# Altium PCB CatsPi-Dev-Board-using-CM4.PcbDoc (part 2 of 2) (continued)
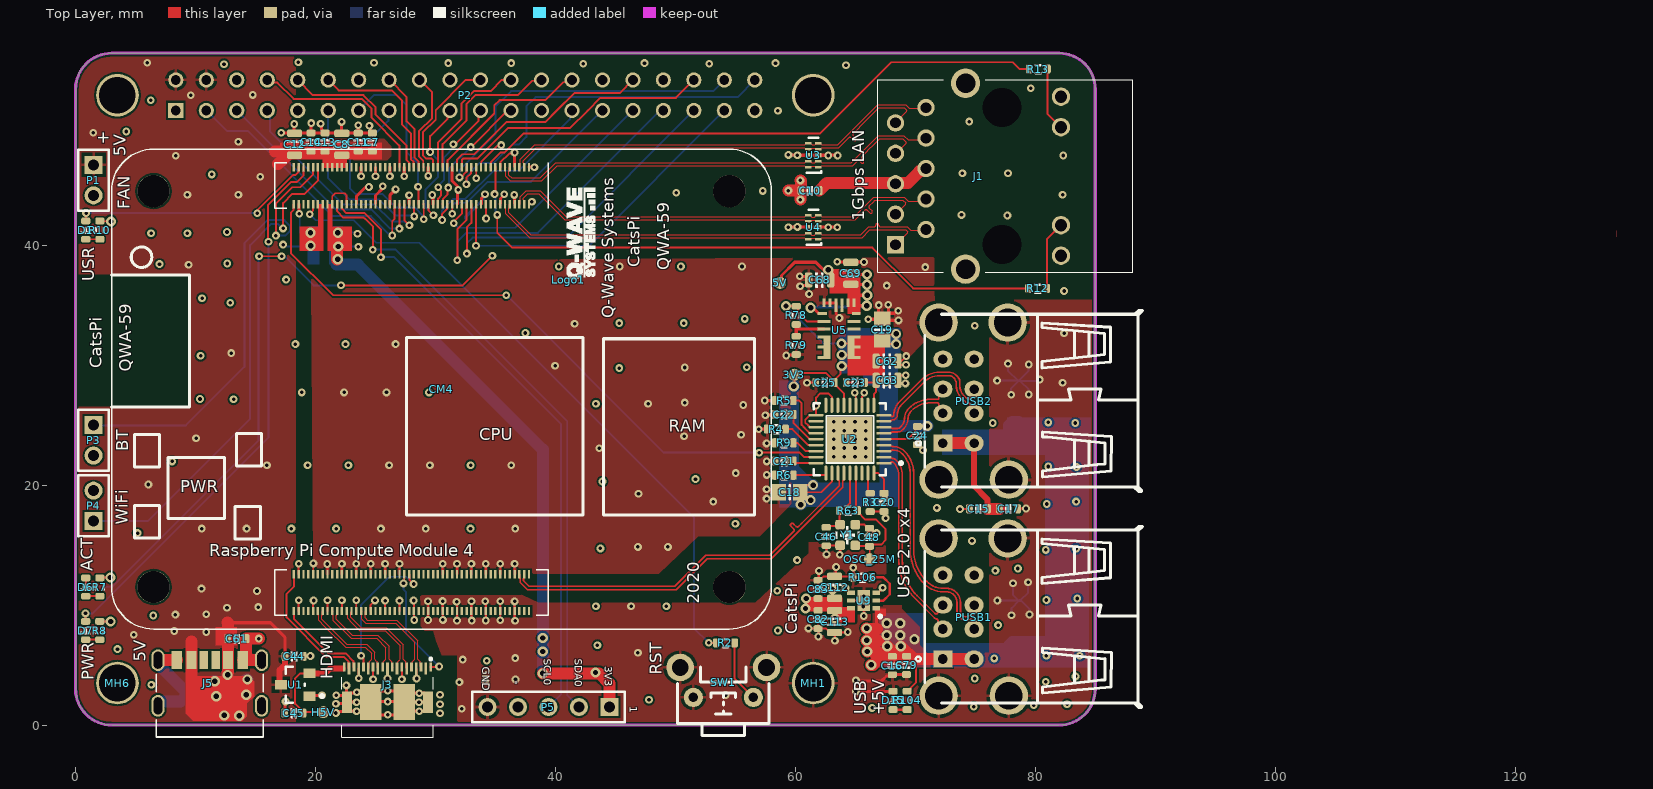
[diagram p0: Top Layer view]
## Nets (pads, with @x,y where several pads share a name; then routed paths per layer and width w, separated by ;. In a path a pad name is that pad's centre, name@x,y a point inside that pad or via, vN(x,y) a via of type N, cw(c..) or ccw(c..) an arc to the next point about the centre after c; other vN are vias at no path point) (continued)
  Bottom Layer w0.16: v1(27.335,11.804) 27.335,11.302 27.557,11.08 27.557,7.618 v1(30.3,4.875)
HDMI0_SCL: CM4.200 J3.17 | length 7.6
  Top Layer w0.16: CM4.200@18.2,9.5 18.2,8.85 18.725,8.325 21.075,5.975 22.525,5.975 23.165,5.335 23.165,4.86 J3.17@23.2,4.825
HDMI0_SDA: CM4.199 J3.18 | length 11.2
  Top Layer w0.16: CM4.199@18.2,12.58 18.2,11.525 17.6,10.925 17.6,8.975 20.912,5.663 22.396,5.663 22.765,5.293 22.765,4.735 J3.18@22.8,4.7
HDMI0_TX0_N: CM4.184 J3.11 | length 7.9
  Top Layer w0.104: CM4.184@21.4,9.5 21.448,9.452 21.448,9.165 21.472,9.141 21.472,8.707 22.961,7.219 25.094,7.219 25.872,6.441 25.872,5.476 25.663,5.267 25.663,4.888 J3.11@25.6,4.825
HDMI0_TX0_P: CM4.182 J3.9 | length 7.9
  Top Layer w0.104: CM4.182@21.8,9.5 21.752,9.452 21.752,9.165 21.728,9.141 21.728,8.814 23.067,7.475 25.2,7.475 26.128,6.547 26.128,5.476 26.337,5.267 26.337,4.926 J3.9@26.431,4.831
HDMI0_TX1_N: CM4.178 J3.8 | length 8
  Top Layer w0.104: CM4.178@22.6,9.5 22.648,9.452 22.648,9.165 22.672,9.141 22.672,8.888 23.027,8.533 23.03,8.533 23.705,7.857 25.803,7.857 27.072,6.589 27.072,5.465 27.011,5.404 27,5.404 26.863,5.267 26.863,4.763 J3.8@26.8,4.7
HDMI0_TX1_P: CM4.176 J3.6 | length 8
  Top Layer w0.104: CM4.176@23,9.5 22.952,9.452 22.952,9.165 22.928,9.141 22.928,8.994 23.133,8.789 23.136,8.789 23.811,8.114 25.909,8.114 27.328,6.695 27.328,5.465 27.389,5.404 27.4,5.404 27.537,5.267 27.537,4.763 J3.6@27.6,4.7
HDMI0_TX2_N: CM4.172 J3.5 | length 8.1
  Top Layer w0.104: CM4.172@23.8,9.5 23.848,9.452 23.848,9.165 23.872,9.141 23.872,8.825 24.203,8.494 26.681,8.494 28.27,6.905 28.272,6.903 28.272,5.465 28.211,5.404 28.2,5.404 28.063,5.267 28.063,4.888 J3.5@28,4.825
HDMI0_TX2_P: CM4.170 J3.3 | length 8.1
  Top Layer w0.104: CM4.170@24.2,9.5 24.152,9.452 24.152,9.165 24.128,9.141 24.128,8.931 24.309,8.75 26.788,8.75 28.528,7.009 28.528,5.465 28.589,5.404 28.6,5.404 28.737,5.267 28.737,4.888 J3.3@28.8,4.825
LED_Active: CM4.21 D6.2 | length 75.5
  Top Layer w0.16: D6.2@0.85,12.262 0.825,12.237 0.875,12.187 v1(0.875,11.525) ; v1(15.3,39.075) 17.175,39.075 v1(17.179,39.071) ; v1(22.125,36.65) 32.275,36.65 v1(34.75,39.125) ; CM4.21@33.8,46.5 33.82,46.52 33.82,46.945 35.25,48.375 35.45,48.375 v1(35.488,48.337)
  Power w0.16: v1(34.75,39.125) 37.35,39.125 39.525,41.3 39.525,46.52 37.67,48.375 35.525,48.375 v1(35.488,48.337)
  Bottom Layer w0.16: v1(0.875,11.525) 3.055,11.525 15.25,23.72 15.25,39.025 v1(15.3,39.075) ; v1(17.179,39.071) 17.429,39.071 19.85,36.65 v1(22.125,36.65)
LED_PWR: CM4.95 D7.2 | length 46.1
  Top Layer w0.16: v1(0.825,9.3) 0.825,8.656 D7.2@0.844,8.637 ; v1(16.082,40.288) 16.025,40.345 16.025,43.325 17.95,45.25 18.45,45.25 19,45.8 CM4.95@19,46.5
  Bottom Layer w0.16: v1(0.825,9.3) 1.425,9.3 4.45,12.325 16.082,23.957 v1(16.082,40.288)
NetC46_1: C46.1 R63.1 U2.32 Y1.3 | length 6.1
  Top Layer w0.16: C46.1@62.575,16.475 62.689,16.589 63.617,16.589 Y1.3@63.731,16.703 63.696,16.738 63.696,17.843 R63.1@63.66,17.879 63.792,18.011 64.086,18.011 64.55,18.475 U2.32@64.55,20.998
NetCM4_20: CM4.20 R1.1 | length 1.2
  Top Layer w0.16: CM4.20@34.2,43.42 34.212,43.408 34.212,42.237 v1(34.225,42.225)
NetCM4_97: CM4.97 D1.2 | length 20.5
  Top Layer w0.16: v1(0.875,42.675) 0.875,42.042 D1.2@0.85,42.017 D1.2@0.952,42.017 ; v1(15.15,42.659) 15.15,42.892 18.102,45.844 18.323,45.844 18.532,46.054 18.58,46.101 18.58,46.48 CM4.97@18.6,46.5
  Bottom Layer w0.16: v1(0.875,42.675) 0.883,42.667 15.142,42.667 v1(15.15,42.659)
NetD1_1: D1.1 R10.1 | length 1.2
  Top Layer w0.16: D1.1@0.85,40.493 R10.1@2.025,40.493
NetD6_1: D6.1 R7.1 | length 1.2
  Top Layer w0.16: D6.1@0.85,10.738 R7.1@2.025,10.738
NetD7_1: D7.1 R8.1 | length 1.2
  Top Layer w0.16: D7.1@0.844,7.113 R8.1@2.019,7.113
NetD15_1: D15.1 R104.1 | length 1.2
  Top Layer w0.203: D15.1@68.147,1.288 R104.1@69.322,1.288
NetJ1_12: J1.12 R12.2 | length 5.8
  Top Layer w0.16: R12.2@80.962,36.4 80.962,40.488 J1.12@82.139,41.665
NetJ1_13: J1.13 R13.2 | length 5.3
  Top Layer w0.16: R13.2@81.012,54.675 81.012,50.962 J1.13@82.139,49.835
NetR2_2: R2.2 SW1.2 | length 5.2
  Top Layer w0.16: R2.2@54.937,6.85 54.937,3.863 SW1.2@56.5,2.3
NetR3_1: R3.1 U2.35 | length 1.8
  Top Layer w0.16: U2.35@66.05,20.998 66.065,20.983 66.065,19.5 R3.1@66.244,19.321
NetR4_1: R4.1 U2.24 | length 3.1
  Top Layer w0.16: R4.1@59.187,24.675 59.75,24.675 61.085,23.34 61.708,23.34 U2.24@61.723,23.325
NetR5_1: R5.1 U2.22 | length 4.1
  Top Layer w0.16: R5.1@59.837,27.05 60.3,27.05 60.35,27 60.515,26.835 60.515,25.023 60.75,24.789 61.214,24.325 U2.22@61.723,24.325
NetR6_1: R6.1 U2.28 | length 2.9
  Top Layer w0.16: R6.1@59.837,20.825 62.513,20.825 62.55,20.862 U2.28@62.55,20.998
NetR9_1: R9.1 U2.25 | length 2.2
  Top Layer w0.16: R9.1@59.837,23.524 60.176,23.524 60.875,22.825 U2.25@61.723,22.825
NetR78_1: R78.1 R79.2 U5.3 | length 3.3
  Top Layer w0.254: R79.2@60.075,32.41 60.075,32.983 ; R78.1@60.075,33.386 60.075,32.983 ; U5.3@62.391,32.994 60.087,32.994 60.075,32.983
NetR106_2: R106.2 U9.2 | length 3.9
  Top Layer w0.203: R106.2@66.362,12.3 67.35,12.3 67.875,11.775 67.875,10.9 67.35,10.375 U9.2@66.75,10.375
NetU5_4: U5.4 U5.5 U5.6
RESET: CM4.92 R2.1 | length 55
  Top Layer w0.16: v1(19.525,42.575) 19.525,42.62 19.8,42.895 CM4.92@19.8,43.42 ; v1(52.775,6.85) R2.1@53.413,6.85
  Bottom Layer w0.16: v1(19.525,42.575) 20.025,42.075 23.175,42.075 25.05,40.2 28.65,40.2 51.55,17.3 51.55,8.075 v1(52.775,6.85)
SCL0: CM4.80 P5.3 | length 51.4
  Top Layer w0.16: CM4.80@22.2,43.42 22.22,43.4 22.22,43.021 22.566,42.675 24.092,42.675 25.45,41.317 v1(25.45,39)
  Bottom Layer w0.16: v1(25.45,39) 26.55,39 40.45,25.1 40.45,2.53 P5.3@39.42,1.5
SDA0: CM4.82 P5.2 | length 52.4
  Top Layer w0.16: CM4.82@21.8,43.42 21.8,42.825 22.325,42.3 24.025,42.3 24.1,42.225 24.8,41.525 24.8,39.65 v1(24.775,39.625)
  Bottom Layer w0.16: v1(24.775,39.625) 26.682,39.625 40.985,25.322 40.985,2.475 P5.2@41.96,1.5
TRD0_N: CM4.10 J1.2 U4.2 U4.9 | length 36.8
  Top Layer w0.104: CM4.10@36.2,43.42 36.152,43.372 36.152,43.085 36.128,43.061 36.128,42.709 37.959,40.878 60.791,40.878 60.852,40.939 60.852,40.952 60.9,41 U4.9@61.082,41 ; U4.9@61.242,40.975 61.29,40.927 61.29,40.914 61.375,40.829 61.603,40.829 61.664,40.89 U4.2@61.664,40.927 ; U4.2@61.917,41 62.1,41 62.148,40.952 62.148,40.939 62.209,40.878 65.453,40.878 66.106,41.531 66.527,41.531 66.579,41.531 ccw(c66.579,41.658) 66.706,41.658 66.706,41.672 cw(c66.833,41.672) 66.96,41.672 66.96,41.658 ccw(c67.087,41.658) 67.087,41.531 67.95,41.531 69.331,41.531 69.606,41.256 70.841,41.256 J1.2@70.889,41.305
TRD0_P: CM4.12 J1.1 U4.1 U4.10 | length 36.8
  Top Layer w0.104: CM4.12@35.8,43.42 35.848,43.372 35.848,43.085 35.872,43.061 35.872,42.603 37.853,40.622 60.791,40.622 60.852,40.561 60.852,40.548 60.9,40.5 U4.10@61.082,40.5 ; U4.10@61.242,40.475 61.34,40.573 61.615,40.573 U4.1@61.712,40.475 ; U4.1@61.917,40.5 62.1,40.5 62.148,40.548 62.148,40.561 62.209,40.622 65.559,40.622 66.213,41.275 69.2,41.275 69.352,41.123 69.352,41.037 J1.1@68.349,40.035
TRD1_N: CM4.6 J1.4 U4.5 U4.6 | length 36.3
  Top Layer w0.104: CM4.6@37,43.42 37.048,43.468 37.048,43.755 37.072,43.779 37.072,44.032 37.571,44.531 38.731,44.531 40.884,42.378 60.791,42.378 60.852,42.439 60.852,42.452 60.9,42.5 U4.6@61.082,42.5 ; U4.6@61.253,42.471 61.301,42.423 61.301,42.41 61.386,42.325 61.614,42.325 61.675,42.386 U4.5@61.675,42.423 ; U4.5@61.917,42.5 62.1,42.5 62.148,42.452 62.148,42.439 62.209,42.378 64.903,42.378 66.531,44.006 69.075,44.006 69.431,43.65 70.694,43.65 J1.4@70.889,43.845
TRD1_P: CM4.4 J1.3 U4.4 U4.7 | length 36.3
  Top Layer w0.104: CM4.4@37.4,43.42 37.352,43.468 37.352,43.755 37.328,43.779 37.328,43.926 37.677,44.275 38.625,44.275 40.778,42.122 60.791,42.122 60.852,42.061 60.852,42.048 60.9,42 U4.7@61.082,42 ; U4.7@61.253,41.971 61.351,42.069 61.625,42.069 U4.4@61.723,41.971 ; U4.4@61.917,42 62.1,42 62.148,42.048 62.148,42.061 62.209,42.122 65.009,42.122 65.586,42.699 65.803,42.915 cw(c65.892,42.825) 65.982,42.915 66.215,42.682 ccw(c66.305,42.772) 66.395,42.682 ccw(c66.305,42.772) 66.395,42.862 66.162,43.095 cw(c66.252,43.184) 66.162,43.274 66.519,43.631 66.638,43.75 68.969,43.75 69.204,43.515 69.204,43.429 J1.3@68.349,42.575
TRD2_N: CM4.9 J1.8 U3.2 U3.9 | length 37.7
  Top Layer w0.104: CM4.9@36.2,46.5 36.152,46.452 36.152,46.165 36.128,46.141 36.128,45.833 36.355,45.606 38.756,45.606 40.028,46.878 60.791,46.878 60.852,46.939 60.852,46.952 60.9,47 U3.9@61.265,47 ; U3.9@61.253,46.996 61.301,46.948 61.301,46.935 61.386,46.85 61.614,46.85 61.675,46.911 U3.2@61.675,46.948 ; U3.2@61.917,47 62.1,47 62.148,46.952 62.148,46.939 62.209,46.878 64.678,46.878 65.472,47.672 66.382,48.582 66.931,49.131 69.056,49.131 69.409,48.778 J1.8@70.743,48.778 ; J1.8@70.389,49.131 J1.8@70.743,48.778 ; J1.8@70.889,48.925 J1.8@70.743,48.778
TRD2_P: CM4.11 J1.7 U3.1 U3.10 | length 37.7
  Top Layer w0.104: CM4.11@35.8,46.5 35.848,46.452 35.848,46.165 35.872,46.141 35.872,45.727 36.248,45.35 38.863,45.35 40.134,46.622 60.791,46.622 60.852,46.561 60.852,46.548 60.9,46.5 U3.10@61.082,46.5 ; U3.10@61.253,46.496 61.351,46.594 61.625,46.594 U3.1@61.723,46.496 ; U3.1@61.917,46.5 62.1,46.5 62.148,46.548 62.148,46.561 62.209,46.622 64.784,46.622 64.956,46.794 65.173,47.01 cw(c65.262,46.92) 65.352,47.01 65.494,46.868 ccw(c65.584,46.958) 65.674,46.868 ccw(c65.584,46.958) 65.674,47.047 65.532,47.19 cw(c65.621,47.279) 65.532,47.369 66.031,47.869 66.041,47.879 66.056,47.894 66.6,48.437 67.038,48.875 68.95,48.875 69.228,48.597 69.228,48.511 68.372,47.655 J1.7@68.349,47.655
TRD3_N: CM4.5 J1.10 U3.5 U3.6 | length 37
  Top Layer w0.104: CM4.5@37,46.5 37.048,46.548 37.048,46.835 37.072,46.859 37.072,47.159 38.291,48.378 60.791,48.378 60.852,48.439 60.852,48.452 60.9,48.5 U3.6@61.082,48.5 61.265,48.5 61.313,48.452 61.313,48.439 61.398,48.354 61.626,48.354 61.687,48.415 61.687,48.452 U3.5@62.148,48.452 ; U3.5@61.917,48.5 62.1,48.5 U3.5@62.148,48.452 ; J1.10@70.889,51.465 70.837,51.413 69.481,51.413 69.187,51.706 66.856,51.706 63.528,48.378 62.209,48.378 62.148,48.439 U3.5@62.148,48.452
TRD3_P: CM4.3 J1.9 U3.4 U3.7 | length 37
  Top Layer w0.104: CM4.3@37.4,46.5 37.352,46.548 37.352,46.835 37.328,46.859 37.328,47.053 38.397,48.122 60.791,48.122 60.852,48.061 60.852,48.048 60.9,48 U3.7@61.082,48 61.265,48 61.363,48.098 61.637,48.098 61.735,48 U3.4@61.917,48 62.1,48 62.148,48.048 62.148,48.061 62.209,48.122 63.634,48.122 64.244,48.731 64.46,48.948 cw(c64.55,48.858) 64.64,48.948 64.861,48.726 ccw(c64.951,48.816) 65.041,48.726 ccw(c64.951,48.816) 65.041,48.906 64.819,49.127 cw(c64.909,49.217) 64.819,49.307 65.919,50.406 66.963,51.45 69.081,51.45 69.3,51.231 69.3,51.145 J1.9@68.349,50.195
USB2_N: CM4.103 U2.30 | length 32.6
  Top Layer w0.138: CM4.103@37.4,12.58 37.369,12.549 37.369,12.242 37.345,12.218 37.345,12.023 37.793,11.575 49.95,11.575 52.525,14.15 57.865,14.15 59.361,15.646 59.858,16.144 ccw(c59.757,16.245) 59.858,16.347 59.634,16.571 cw(c59.736,16.673) 59.634,16.774 cw(c59.736,16.673) 59.838,16.774 60.062,16.551 ccw(c60.163,16.652) 60.265,16.551 60.517,16.803 63.655,19.94 63.655,20.357 63.55,20.462 U2.30@63.55,20.998
USB2_P: CM4.105 U2.31 | length 32.6
  Top Layer w0.138: CM4.105@37,12.58 37.031,12.549 37.031,12.242 37.055,12.218 37.055,11.903 37.673,11.285 50.07,11.285 52.645,13.86 57.985,13.86 63.945,19.82 63.945,20.357 64.05,20.462 U2.31@64.05,20.998
USB_PWR_CTRL: U2.12 U9.4 | length 24.9
  Top Layer w0.16: v1(64.175,11.425) 64.175,11.35 64.5,11.025 U9.4@64.65,11.025 ; U2.12@65.55,26.652 65.565,26.667 65.565,27.374 65.75,27.559 v1(65.75,27.692)
  Power w0.16: v1(64.175,11.425) 66.25,11.425 66.85,10.825 67.55,10.825 68.687,11.962 68.687,25.838 67.55,26.975 65.925,26.975 65.773,27.127 65.773,27.668 v1(65.75,27.692)
USBA_2D_N: PUSB1.A2 U2.1 | length 16.2
  Top Layer w0.138: U2.1@67.377,21.825 67.812,21.825 ccw(c67.812,22.004) 67.939,21.877 67.942,21.88 cw(c68.062,21.76) 68.062,21.93 cw(c68.062,21.76) 68.182,21.88 cw(c67.112,20.81) 68.625,20.81 68.625,13.749 ; 68.625,13.748 ccw(c73.122,13.763) 69.94,10.585 69.941,10.584 71.599,8.926 ccw(c71.804,9.131) 71.771,8.843 cw(c71.755,8.706) 71.89,8.731 ; 71.89,8.73 ccw(c73.13,8.95) PUSB1.A2@72.239,8.061 ; PUSB1.A2@72.24,8.06 PUSB1.A2@72.3,8
USBA_2D_P: PUSB1.A3 U2.2 | length 16
  Top Layer w0.138: U2.2@67.377,22.325 67.839,22.325 cw(c67.839,22.146) 67.965,22.273 ccw(c68.092,22.399) 68.092,22.22 cw(c68.092,21.834) 68.365,22.107 68.389,22.084 cw(c67.902,21.597) 68.391,22.081 68.392,22.08 cw(c67.112,20.81) 68.915,20.812 68.915,13.748 ccw(c73.122,13.763) 70.144,10.791 71.638,9.297 ccw(c71.735,9.395) 71.865,9.348 cw(c73.37,8.809) 72.24,9.94 PUSB1.A3@72.3,10
USBA_3D_N: PUSB1.B2 U2.3 | length 19.7
  Top Layer w0.138: U2.3@67.377,22.825 67.839,22.825 ccw(c67.839,23.004) 67.965,22.877 cw(c68.092,22.751) 68.092,22.93 68.138,22.93 cw(c68.138,21.847) 68.9,22.616 ; 68.901,22.615 cw(c67.268,20.986) 69.575,20.987 69.575,20.984 69.575,14.626 ccw(c73.657,14.634) 70.766,11.752 ccw(c72.341,13.329) 72.336,11.1 ; 72.337,11.1 72.601,11.1 cw(c72.603,10.235) 73.244,10.816 ; 73.244,10.816 cw(c72.59,10.219) 73.475,10.224 cw(c72.176,10.219) 73.475,10.222 ; 73.475,9.48 ccw(c74.227,9.486) 74.574,8.819 cw(c74.637,8.697) 74.773,8.722 PUSB1.B2@74.9,8 ; 73.475,9.481 73.475,9.57 ; 73.475,9.571 73.475,9.993 73.475,10.218 73.475,10.222
USBA_3D_P: PUSB1.B3 U2.4 | length 19.8
  Top Layer w0.138: U2.4@67.377,23.325 67.839,23.325 cw(c67.839,23.146) 67.965,23.273 ccw(c68.092,23.399) 68.092,23.22 68.137,23.22 ; 68.138,23.22 cw(c68.138,21.847) 69.104,22.822 cw(c67.268,20.986) 69.865,20.985 69.865,20.34 69.865,14.628 ccw(c73.657,14.634) 70.958,11.97 ccw(c73.84,14.815) 70.961,11.967 ccw(c74.265,15.239) 70.97,11.958 ccw(c72.341,13.329) 72.331,11.39 ccw(c72.344,14.475) 72.335,11.39 72.602,11.39 cw(c72.603,10.235) 73.453,11.017 73.455,11.016 cw(c72.59,10.219) 73.765,10.221 73.765,9.572 73.765,9.482 ; 73.765,9.481 ccw(c74.227,9.486) 74.439,9.076 cw(c74.637,8.697) 74.721,9.117 ccw(c74.747,9.252) 74.882,9.221 ccw(c74.177,9.383) 74.9,9.382 PUSB1.B3@74.9,10
USBA_4D_N: PUSB2.A2 U2.6 | length 6.8
  Top Layer w0.138: U2.6@67.377,24.325 67.839,24.325 ccw(c67.839,24.504) 67.965,24.377 cw(c68.092,24.251) 68.092,24.43 68.517,24.43 ccw(c68.517,25.04) 68.949,24.609 69.038,24.698 ccw(c68.187,25.548) 69.39,25.548 69.39,25.55 cw(c70.272,25.55) 69.648,26.173 cw(c71.294,24.528) 71.294,26.855 71.829,26.855 ; 71.83,26.855 cw(c71.83,26.717) 71.927,26.815 cw(c71.83,26.717) 71.968,26.717 ccw(c72.896,26.717) 72.239,26.061 PUSB2.A2@72.3,26
USBA_4D_P: PUSB2.A3 U2.7 | length 6.8
  Top Layer w0.138: U2.7@67.377,24.825 67.839,24.825 cw(c67.839,24.646) 67.965,24.773 ccw(c68.092,24.899) 68.092,24.72 68.516,24.72 ccw(c68.516,25.044) 68.745,24.815 68.831,24.902 ccw(c68.183,25.55) 69.1,25.55 ; 69.1,25.551 cw(c70.27,25.551) 69.443,26.378 69.47,26.405 cw(c71.256,24.619) 71.256,27.145 71.831,27.145 ccw(c71.83,27.283) 71.927,27.185 ccw(c71.83,27.283) 71.968,27.283 cw(c72.896,27.283) 72.239,27.939 PUSB2.A3@72.3,28
USBA_5D_N: PUSB2.B2 U2.8 | length 11.3
  Top Layer w0.138: U2.8@67.377,25.325 67.839,25.325 ccw(c67.839,25.504) 67.965,25.377 cw(c68.092,25.251) 68.092,25.43 ccw(c68.092,25.816) 68.365,25.543 68.379,25.556 ccw(c68.078,25.856) 68.503,25.856 cw(c69.725,25.856) 68.861,26.721 70.72,28.58 cw(c72.036,27.264) 72.036,29.125 72.775,29.125 cw(c72.775,28.521) 73.202,28.948 cw(c72.663,28.409) 73.425,28.409 73.425,28.266 ccw(c74.833,28.266) 73.838,27.27 74.17,26.938 ccw(c74.37,27.138) 74.37,26.855 74.43,26.855 cw(c74.43,26.717) 74.527,26.815 cw(c74.43,26.717) 74.568,26.717 ccw(c75.496,26.717) PUSB2.B2@74.839,26.061 ; PUSB2.B2@74.84,26.06 PUSB2.B2@74.9,26
USBA_5D_P: PUSB2.B3 U2.9 | length 11.3
  Top Layer w0.138: U2.9@67.377,25.825 67.839,25.825 cw(c67.839,25.646) 67.965,25.773 67.978,25.76 ccw(c68.075,25.858) 68.075,25.72 ccw(c68.075,25.858) 68.172,25.76 ccw(c68.075,25.858) 68.213,25.858 cw(c69.722,25.858) 68.655,26.925 70.516,28.786 cw(c72.035,27.267) 72.035,29.415 72.776,29.415 cw(c72.776,28.523) 73.407,29.154 73.53,29.03 cw(c73.084,28.584) 73.715,28.584 73.715,28.268 ccw(c74.838,28.268) 74.044,27.474 74.332,27.185 ccw(c74.43,27.283) 74.43,27.145 ccw(c74.43,27.283) 74.527,27.185 ccw(c74.43,27.283) 74.568,27.283 cw(c75.496,27.283) 74.84,27.94 PUSB2.B3@74.9,28
"WiFi OFF": CM4.89 P4.1 | length 41.6
  Top Layer w0.16: v1(17.3,41.4) 17.3,43.5 18.071,44.271 19.096,44.271 20.2,45.375 CM4.89@20.2,46.5
  Bottom Layer w0.16: P4.1@1.5,17 6,17 14.55,25.55 14.55,40 16.325,41.775 16.85,41.775 17.225,41.4 v1(17.3,41.4)
pads on no net: CM4.0 CM4.16 CM4.18 CM4.19 CM4.57 CM4.61 CM4.62 CM4.63 CM4.64 CM4.67 CM4.68 CM4.69 CM4.70 CM4.72 CM4.73 CM4.75 CM4.76 CM4.93 CM4.94 CM4.96 CM4.99 CM4.101 CM4.102 CM4.104 CM4.106 CM4.109 CM4.110 CM4.111 CM4.112 CM4.115 CM4.116 CM4.117 CM4.118 CM4.121 CM4.122 CM4.123 CM4.124 CM4.127 CM4.128 CM4.129 CM4.130 CM4.133 CM4.134 CM4.135 CM4.136 CM4.139 CM4.140 CM4.141 CM4.142 CM4.143 CM4.145 CM4.146 CM4.147 CM4.148 CM4.149 CM4.152 CM4.154 CM4.157 CM4.158 CM4.159 CM4.160 CM4.163 CM4.164 CM4.165 CM4.166 CM4.169 CM4.171 CM4.175 CM4.177 CM4.181 CM4.183 CM4.187 CM4.189 CM4.193 CM4.194 CM4.195 CM4.196 J1.17 J1.18 J3.2 J5.A5 J5.B5 P2.0 P5.4 U2.11 U2.14 U2.16 U2.18 U2.20 U2.34 U3.3@61.917,47.5 U3.8@61.082,47.5 U4.3@61.917,41.5 U4.8@61.082,41.5 U5.10 U5.11 U5.15

## Polygon pours and split planes (outlines as drawn)
GND on Top Layer "GND_L01_P012" (solid, remove dead copper, pour order 12): 19.622,38.716 19.816,12.576 48.627,12.623 51.85,15.7 57.05,15.75 62.5,21.25 67.525,21.283 67.525,28.625 71.6,32.867 71.6,38.997
GND on Top Layer "GND_L01_P011" (solid, remove dead copper, pour order 11): 31.802,0 31.803,5.8 30.525,5.8 30.075,7 29.825,7.85 29.1,7.85 28.775,8.225 28.75,10.825 37.182,10.852 38.625,10.2 56.659,10.2 61.115,14.329 61.125,15.225 67.547,15.297 67.606,6.038 76.175,6.012 76.175,35.45 85,35.448 85,2.53 cw(c82.46,2.53) 82.46,-0.01 81.524,-0.01
5V_USB on Top Layer "5V_USB_L01_P003" (solid, remove dead copper, pour order 3): 66.51,9.685 66.825,10 68.85,10 68.85,9.7 70.35,8.2 70.35,6.675 71.125,5.9 72.275,5.9 72.275,5 72.1,4.825 66.925,4.825 66.45,5.3 66.45,9.85 66.975,9.85 67.05,9.775
5V on Top Layer "5V_L01_P007" (solid, remove dead copper, pour order 7): 18.607,56 18.349,55.742 18.349,-0.01 2.511,-0.01 cw(c2.511,2.53) -0.029,2.53 -0.029,53.45 cw(c2.511,53.45) 2.511,55.99 5.538,55.99 18.35,56 18.35,55.725
5V on Top Layer "5V_L01_P008" (solid, remove dead copper, pour order 8): 16.033,48.9 16.095,48.85 25.725,48.85 26.325,48.25 26.325,47.4 26,47.075 16.275,47.075 15.8,47.55 15.8,48.667
5V_USB on Power "5V_USB_L03_P009" (solid, remove dead copper, pour order 9): 69.92,36.4 85,36.4 85,2.53 cw(c82.46,2.53) 82.46,-0.01 80.588,-0.01 80.579,0 65.25,0 65.25,7.265 69.716,11.731
5V on Power "5V_L03_P006" (solid, remove dead copper, pour order 6): 67.35,56.075 67.225,55.95 67.225,38.9 68.275,37.85 68.275,33.825 67.171,32.721 59.196,32.721 58.355,31.88 58.355,17.045 58.775,16.625 67.2,16.625 67.675,16.15 67.675,11.225 64.15,7.7 64.15,-0.01 2.511,-0.01 cw(c2.511,2.53) -0.029,2.53 -0.029,53.45 cw(c2.511,53.45) 2.511,55.99 5.601,55.99 67.202,56 67.225,55.925
GND on Bottom Layer "GND_L04_P010" (solid, remove dead copper, pour order 10): 82.46,56 cw(c82.46,53.46) 85,53.46 85,2.54 cw(c82.46,2.54) 82.46,0 2.54,0 cw(c2.54,2.54) 0,2.54 0,53.46 cw(c2.54,53.46) 2.54,56
GND on GND (split plane): 82.217,55.482 82.433,55.454 82.645,55.407 82.852,55.342 83.053,55.258 83.246,55.158 83.429,55.041 83.602,54.909 83.762,54.762 83.909,54.602 84.041,54.429 84.158,54.246 84.258,54.053 84.342,53.852 84.407,53.645 84.454,53.433 84.482,53.217 84.491,53.016 84.49,53 84.49,3 84.491,2.984 84.482,2.783 84.454,2.567 84.407,2.355 84.342,2.148 84.258,1.947 84.158,1.754 84.041,1.571 83.909,1.398 83.762,1.238 83.602,1.091 83.429,0.959 83.246,0.842 83.053,0.742 82.852,0.658 82.645,0.593 82.433,0.546 82.217,0.518 82.016,0.509 82,0.51 3,0.51 2.984,0.509 2.783,0.518 2.567,0.546 2.355,0.593 2.148,0.658 1.947,0.742 1.754,0.842 1.571,0.959 1.398,1.091 1.238,1.238 1.091,1.398 0.959,1.571 0.842,1.754 0.742,1.947 0.658,2.148 0.593,2.355 0.546,2.567 0.518,2.783 0.509,2.984 0.51,3 0.51,26.55 9.638,26.55 9.638,37.575 0.51,37.575 0.51,53 0.509,53.016 0.518,53.217 0.546,53.433 0.593,53.645 0.658,53.852 0.742,54.053 0.842,54.246 0.959,54.429 1.091,54.602 1.238,54.762 1.398,54.909 1.571,55.041 1.754,55.158 1.947,55.258 2.148,55.342 2.355,55.407 2.567,55.454 2.783,55.482 2.984,55.491 3,55.49 82,55.49 82.016,55.491

## Keep-outs
Keep-Out Layer:
  the board outline again, w0.254

## Other copper
Top Layer:
  rectangle net 5V_USB: 66.75,9.1 67.575,9.725
  rectangle net 5V: 11.675,6.641 13.45,8.15
  rectangle net 5V: 17.025,47.125 25.55,48.575
  rectangle net 5V: 64.35,34.275 65.425,36.4
  rectangle net 5V: 62.85,35.975 65.425,38
  rectangle net 5V: 63.263,8.55 64.975,9.725
  rectangle net 5V: 60.9,9.475 63.925,10.625
  rectangle net 3V3: 64.35,29.15 67.475,32.45
  rectangle net 1V8_CM4: 18.65,39.525 20.65,41.55
  rectangle net 3V3_CM4: 21,39.525 23.025,41.55
  rectangle net 1V8_CM4: 20.2,40.125 20.65,43.42
  rectangle net 3V3_CM4: 21,40.125 21.425,43.42
  rectangle net 5V: 20.575,46.425 22.625,47.55
  pour cut-out: 9.575,26.537 0,26.537 0,37.562 8.425,37.562 9.575,37.562
  region net 5V: 9.667,4.095 9.687,4.075 14.45,4.075 14.9,3.625 14.875,3.6 14.875,2.4 14.275,1.8 14.275,0.75 13.875,0.35 9.825,0.35 9.175,1 9.175,4.075
Power:
  rectangle net 5V_USB: 80.652,4.55 84.65,24.575
  rectangle net 5V_USB: 72.2,4.55 83.075,6.625
  rectangle net 5V_USB: 71.625,22.55 82.45,24.575
  pour cut-out: 9.5,26.433 -0.029,26.433 -0.029,37.458 8.671,37.458 9.5,37.458
Bottom Layer:
  region net 5V_USB: 70.825,9.324 66.975,9.324 66.975,4.8 70.825,4.8
  rectangle net 3V3: 59.05,18.35 68.375,20.2
  rectangle net 3V3: 58.65,18.15 60.3,28.725
  rectangle net 3V3: 67.487,18.175 68.55,31.813
  rectangle net 5V_USB: 72.225,22.525 81.625,24.65
  rectangle net 5V_USB: 70.65,4.775 84.2,6.825
  rectangle net 5V_USB: 80.8,4.8 84.466,24.1
  rectangle net 5V_USB: 77.65,22.775 84.625,25.65
  rectangle net 1V8_CM4: 19.325,38.375 20.325,41.598
  rectangle net 3V3_CM4: 21.145,38.4 22.3,41.598
  rectangle net 3V3: 65.625,28.3 68.347,31.25
  rectangle net 3V3: 63.625,29.3 67.175,32.025
  rectangle net 3V3: 63.6,31 68.75,33.1
  pour cut-out: 37.425,52.425 37.5,52.5 42.091,52.5 42.091,48.984 42.1,48.975 41.875,48.75 37.45,48.75 37.45,52.425
  pour cut-out: 9.8,26.488 0,26.488 0,37.513 8.65,37.513 9.8,37.513
  pour cut-out: 16.325,48.85 16.225,48.85 39.175,48.85 39.175,37.325 39.225,37.275 39.129,37.179 16.225,37.179 16.225,46.1 16.225,48.85
GND (plane layer: these items are gaps in the copper):
  pour cut-out: 9.638,26.55 0,26.55 0,37.575 8.488,37.575 9.638,37.575

## Silkscreen, mask and mechanical layers (free items; w line width, h text height)
Top Overlay:
  text "+" at 2.775,48.375 h1 r90
  text "5V" at 4.175,47.4 h1 r90
  text "FAN" at 4.5,42.975 h1 r90
  text "1Gbps LAN" at 65.75,42.05 h1 r90
  text "CatsPi" at 47.05,38.175 h1 r90
  text "QWA-59" at 49.475,37.9 h1 r90
  text "USR" at 1.55,36.975 h1 r90
  text "Q-Wave Systems" at 44.875,33.925 h1 r90
  text "CatsPi" at 2.2,29.725 h1 r90
  text "QWA-59" at 4.625,29.45 h1 r90
  text "BT" at 4.375,22.8 h1 r90
  text "WiFi" at 4.35,16.7 h1 r90
  text "ACT" at 1.45,12.8 h1 r90
  text "USB 2.0 x4" at 69.525,10.575 h1 r90
  text "2020" at 51.975,10.1 h1 r90
  text "CatsPi" at 60.15,7.55 h1 r90
  text "SCL0" at 39.045,5.516 h0.64 r270
  text "SDA0" at 41.591,5.516 h0.64 r270
  text "5V" at 5.85,5.275 h1 r90
  text "3V3" at 44.133,4.896 h0.64 r270
  text "GND" at 33.908,4.846 h0.64 r270
  text "RST" at 48.85,4.175 h1 r90
  text "HDMI" at 21.425,3.8 h1 r90
  text "PWR" at 1.525,3.725 h1 r90
  text "-" at 36.5,3.7 h0.64 r270
  text "1" at 46.2,1.55 h0.64 r270
  text "USB" at 65.925,0.9 h1 r90
  text "+5V" at 67.4,0.8 h1 r90
Mechanical 2:
  drawing of 520 lines, arcs and shapes, not listed
Mechanical 6:
  lines w0.254: 0,3 0,0 3,0 ; 0,53 0,56 3,56 ; 82,0 85,0 85,3 ; 82,56 85,56 85,53
Mechanical 15:
  the board outline again, w0.127
Mechanical 16:
  the board outline again, w0.127
Mechanical 22:
  lines w0.2: 0,3 0,0 3,0 ; 0,53 0,56 3,56 ; 82,0 85,0 85,3 ; 82,56 85,56 85,53

## Text inside footprints (layer, text, board x,y; h text height)
CM4: Top Overlay "CPU" at 33.654,23.754 h1; Top Overlay "RAM" at 49.454,24.454 h1; Top Overlay "PWR" at 8.739,19.398 h1; Bottom 3D Body "HDMI1" at 24.542,9.9 h0.7; Bottom 3D Body "Wireless / Cutout" at 7.4,27.068 h0.9 r90; Bottom 3D Body "5V" at 20.6,45 h0.7; Bottom 3D Body "GPIO" at 29.875,44.5 h0.7; Bottom 3D Body "3V3" at 21.875,43.8 h0.7; Bottom 3D Body "SD" at 23.509,44.4 h0.7; Bottom 3D Body "CAM0" at 29.717,10 h0.7; Bottom 3D Body "1V8" at 19.275,43.8 h0.7; Bottom 3D Body "ETH" at 35.251,44.5 h0.7; Bottom 3D Body "TV" at 33.251,11 h0.7; Bottom 3D Body "DSI0" at 23.551,11.1 h0.7; Bottom 3D Body "DS1" at 17.451,10.5 h0.7; Bottom 3D Body "PCIe" at 33.551,10 h0.7; Bottom 3D Body "HDMI0" at 20.126,10 h0.7; Bottom 3D Body "CAM1" at 29.751,11.1 h0.7; Bottom 3D Body "USB" at 34.634,11.1 h0.7